# Altium PCB CalibratorPCB_v1.PcbDoc (part 1 of 3) (continued)
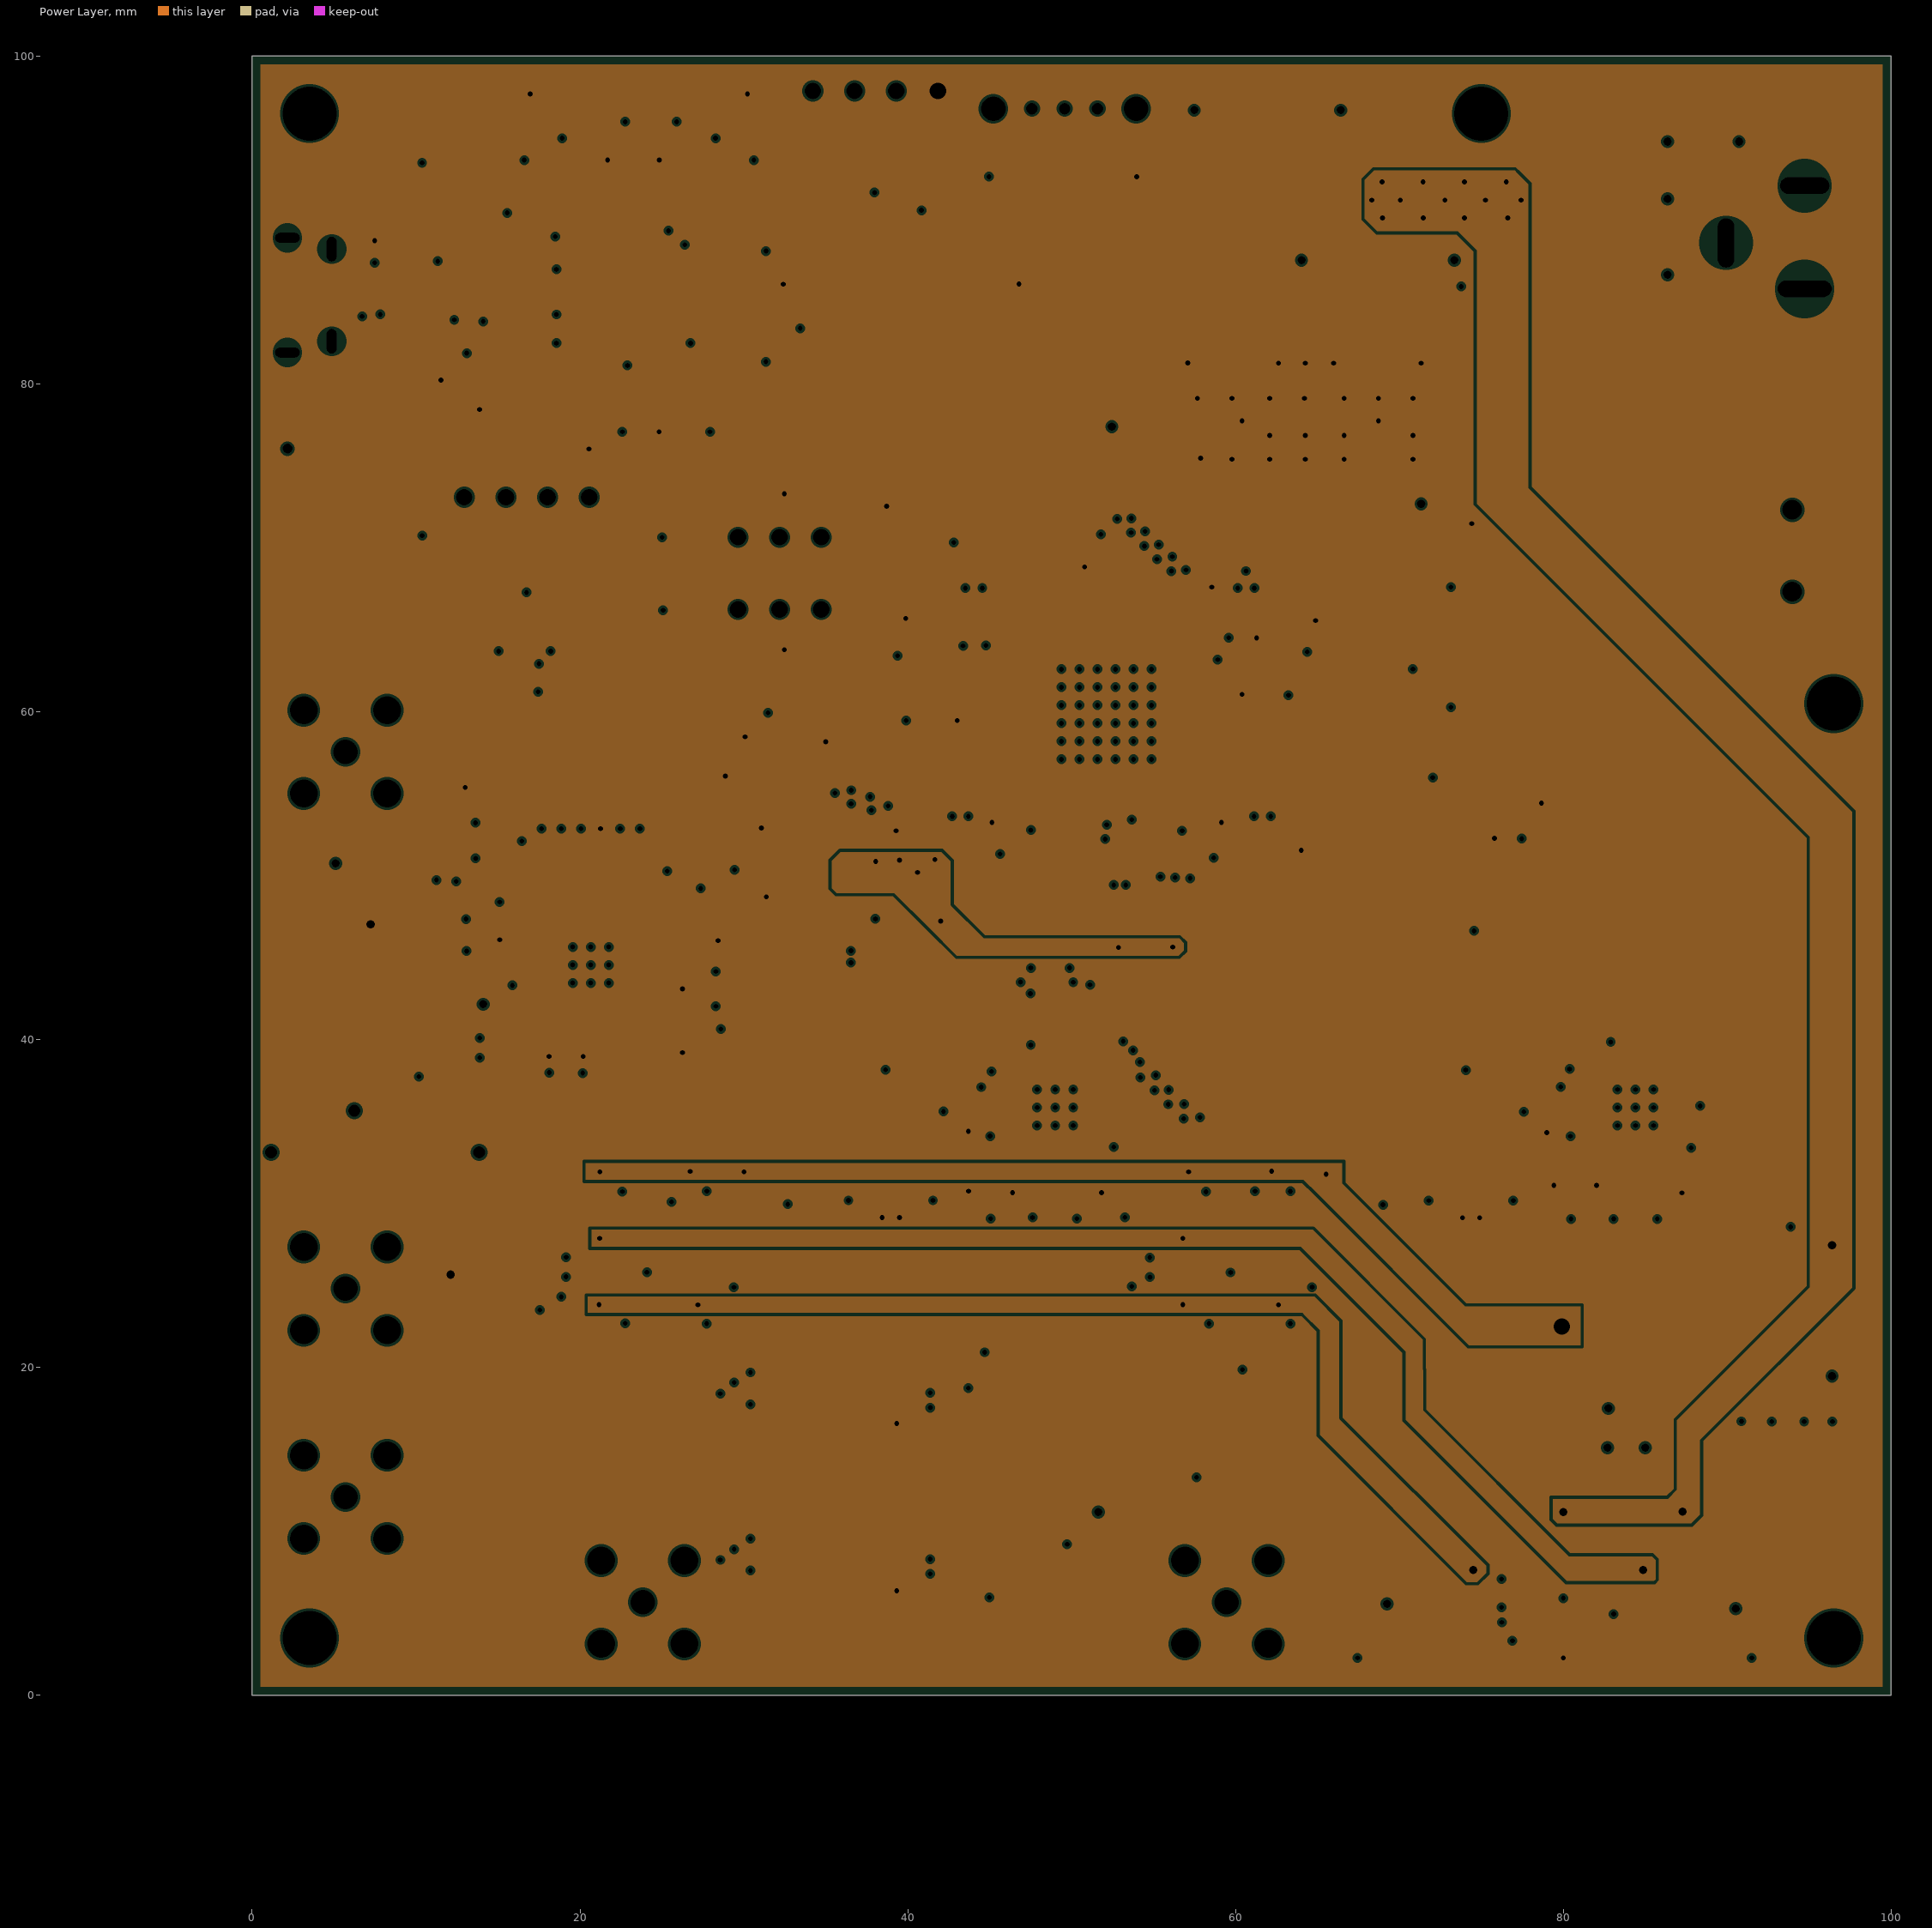
[diagram p3: Power Layer, clearances drawn from the general rule]
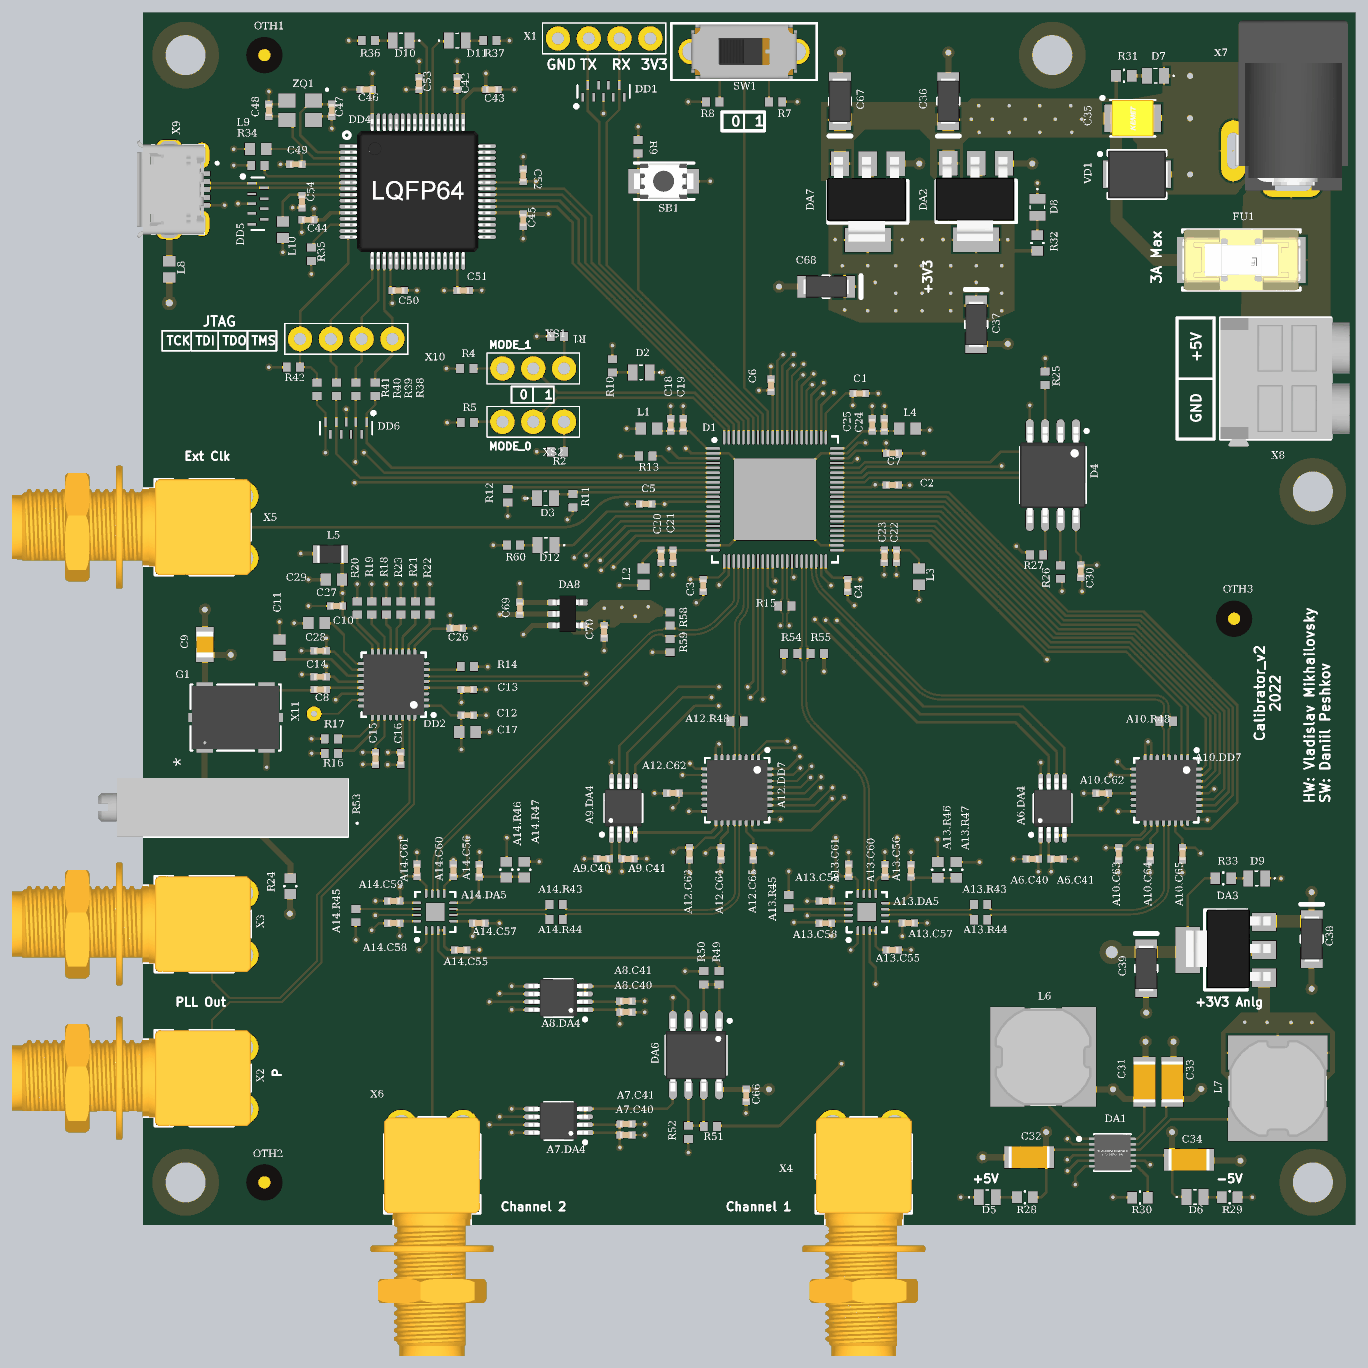
[diagram p6: 3D render of the assembled board from above, using the file's embedded part models]

## Layer stack, top to bottom
Top Solder Mask: solder mask 0.025, SM-001, Dk 3.5
Top Layer: signal copper 0.018
Top Prepreg: prepreg 0.127, FR4, Dk 4.2
GND Layer: plane copper 0.018, net GND
Core: core 1.2, FR4, Dk 4.6
Power Layer: plane copper 0.018, net (Multiple Nets)
Bottom Prepreg: prepreg 0.127, FR4, Dk 4.2
Bottom Layer: signal copper 0.018
Bottom Solder Mask: solder mask 0.025, SM-001, Dk 3.5

## Board outline
0,0 0,100 100,100 100,0

## Design rules (kind name [scope] priority, off if disabled: settings)
AcuteAngle [All] p1: minimum=3.50000000000000E+0001 checktracksonly=FALSE
BoardOutlineClearance [OnLayer('Top Overlay') and InComponent('X2','X3','X4','X5','X6','X9','R53')] p1: gap=0 ignorepadtopadclearanceinfootprint=FALSE
BoardOutlineClearance "BoardOutlineClearance 1" [All] p2: gap=0.25 ignorepadtopadclearanceinfootprint=FALSE except(0: Arc-SplitContinuation Track-SplitContinuation SMDPad-SplitContinuation THPad-SplitContinuation Via-SplitContinuation Fill-SplitContinuation Poly-SplitContinuation Region-SplitContinuation Text-SplitContinuation) // Milling
BoardOutlineClearance "BoardOutlineClearance 2" [All] p3 off: gap=0.4 ignorepadtopadclearanceinfootprint=FALSE except(0: Arc-SplitContinuation Track-SplitContinuation SMDPad-SplitContinuation THPad-SplitContinuation Via-SplitContinuation Fill-SplitContinuation Poly-SplitContinuation Region-SplitContinuation Text-SplitContinuation) // V-Cut
Clearance "Clearance 3 Oz" [All] p1 off: gap=0.35 ignorepadtopadclearanceinfootprint=FALSE except(0.25: Arc-Hole Track-Hole SMDPad-Hole THPad-Hole Via-Hole Fill-Hole Poly-Hole Region-Hole Text-Hole)
Clearance "Clearance 2 Oz" [All] p2 off: gap=0.3 ignorepadtopadclearanceinfootprint=FALSE except(0.25: Arc-Hole Track-Hole SMDPad-Hole THPad-Hole Via-Hole Fill-Hole Poly-Hole Region-Hole Text-Hole)
Clearance "Clearance-1 1 Oz" [All] p3 off: gap=0.2 ignorepadtopadclearanceinfootprint=FALSE except(0.25: Arc-Hole Track-Hole SMDPad-Hole THPad-Hole Via-Hole Fill-Hole Poly-Hole Region-Hole Text-Hole) // Standart
Clearance "Clearance-2 1 Oz" [All] p4 off: gap=0.15 ignorepadtopadclearanceinfootprint=FALSE except(0.2: Arc-Fill Arc-Poly Track-Fill Track-Poly SMDPad-Fill SMDPad-Poly THPad-Fill THPad-Poly Via-Fill Via-Poly Fill-Fill Fill-Poly Poly-Poly; 0.25: Arc-Hole Track-Hole SMDPad-Hole THPad-Hole Via-Hole Fill-Hole Poly-Hole Region-Hole Text-Hole) // Advance
Clearance "Clearance-1 1/2 Oz" [All] p5: gap=0.125 ignorepadtopadclearanceinfootprint=FALSE except(0.199: Arc-Fill Arc-Poly Track-Fill Track-Poly SMDPad-Fill SMDPad-Poly THPad-Fill THPad-Poly Via-Fill Via-Poly Fill-Fill Fill-Poly Poly-Poly Poly-Region; 0.2: SMDPad-SMDPad Poly-Text; 0.25: Arc-Hole Track-Hole SMDPad-Hole THPad-Hole Via-Hole Fill-Hole Poly-Hole Region-Hole Text-Hole) // Standart
Clearance "Clearance-2 1/2 Oz" [All] p6 off: gap=0.1 ignorepadtopadclearanceinfootprint=FALSE except(0.15: Arc-Fill Arc-Poly Track-Fill Track-Poly SMDPad-SMDPad SMDPad-Fill SMDPad-Poly THPad-Fill THPad-Poly Via-Fill Via-Poly Fill-Fill Fill-Poly Poly-Poly Poly-Region Poly-Text; 0.25: Arc-Hole Track-Hole SMDPad-Hole THPad-Hole Via-Hole Fill-Hole Poly-Hole Region-Hole Text-Hole) // Advance
DiffPairsRouting "DiffPairsRouting 1 Oz" [All] p1 off: maxlimit=0.254 minlimit=0.2 mostfreqgap=0.254 toplayer_minwidth=0.2 toplayer_maxwidth=0.381 toplayer_prefwidth=0.381 bottomlayer_minwidth=0.2 bottomlayer_maxwidth=0.381 bottomlayer_prefwidth=0.381 maxuncoupledlength=12.7
DiffPairsRouting "DiffPairsRouting 1/2 Oz_LVDS" [InDifferentialPairClass('LVDS/PECL')] p2: maxlimit=0.2 minlimit=0.2 mostfreqgap=0.2 toplayer_minwidth=0.157 toplayer_maxwidth=0.157 toplayer_prefwidth=0.157 bottomlayer_minwidth=0.157 bottomlayer_maxwidth=0.157 bottomlayer_prefwidth=0.157 impedanceprofiledriven=TRUE impedanceprofileid={0FC08B0F-4EC7-4038-B0E8-74F926446859} impedanceprofilevalue=100.000000 maxuncoupledlength=12.7
DiffPairsRouting DiffPairsRouting_USB [InDifferentialPairClass('USB')] p3: maxlimit=0.2 minlimit=0.2 mostfreqgap=0.2 toplayer_minwidth=0.2 toplayer_maxwidth=0.2 toplayer_prefwidth=0.2 bottomlayer_minwidth=0.2 bottomlayer_maxwidth=0.2 bottomlayer_prefwidth=0.2 impedanceprofiledriven=TRUE impedanceprofileid={825B4790-DC1B-4683-80F7-A190E56E5636} impedanceprofilevalue=90.000000 maxuncoupledlength=12.7
FanoutControl Fanout_BGA [IsBGA] p1 off: bgadir=Out bgaviamode=Centered fanoutstyle=Auto fanoutdirection=Alternating viagrid=0.025 // Fanout_BGA (Default Rule)
HoleSize "Minimum HoleSize" [IsPad] p1 off: absolutevalues=TRUE maxlimit=5.9 minlimit=0.6 maxpercent=80.000 minpercent=20.000
HoleSize "Minimum HoleSize VIA 1" [IsVia] p2: absolutevalues=TRUE maxlimit=5.9 minlimit=0.3 maxpercent=80.000 minpercent=20.000 // Standart
HoleSize "Minimum HoleSize VIA 2" [IsVia] p3 off: absolutevalues=TRUE maxlimit=5.9 minlimit=0.2 maxpercent=80.000 minpercent=20.000 // Advance
HoleToHoleClearance Hole2HoleClearance [All] p1: gap=0.25 allowstackedmicrovias=FALSE
MatchedLengths Latch [InxSignalClass('Latch')] p1: tolerance=1 checknetsindiffpair=FALSE checkdiffpairvsdiffpair=TRUE checkxsignals=TRUE checkothers=TRUE
MinimumAnnularRing "Minimum AR VIA Standart" [IsVia] p1: minimumring=0.15
MinimumAnnularRing "Minimum AR PAD Standart" [IsPAD] p2: minimumring=0.2
MinimumAnnularRing "Minimum AR VIA Advance" [IsVia] p3 off: minimumring=0.1
MinimumAnnularRing "Minimum AR PAD Advance" [IsPAD] p4 off: minimumring=0.15
MinimumSolderMaskSliver "SolderMask Bridge Standart" [All] p1 off: minsoldermaskwidth=0.15 // All Masks
MinimumSolderMaskSliver "SolderMask Bridge Advance" [All] p2: minsoldermaskwidth=0.1 // Mask LDI
PlaneClearance "PlaneClearance 3 Oz" [All] p1 off: clearance=0.35
PlaneClearance "PlaneClearance 2 Oz" [All] p2 off: clearance=0.3
PlaneClearance "PlaneClearance 1 Oz" [All] p3 off: clearance=0.2
PlaneClearance "PlaneClearance-1 1/2 Oz" [All] p4: clearance=0.25 // Standart
PlaneClearance "PlaneClearance-2 1/2 Oz" [All] p5 off: clearance=0.15 // Advance
PlaneConnect "TermalConnect 3 Oz" [All] p1 off: planeconnectstyle=Relief reliefexpansion=0.2 reliefentries=4 reliefconductorwidth=0.35 reliefairgap=0.35 // Standart
PlaneConnect "TermalConnect 2 Oz" [All] p2 off: planeconnectstyle=Relief reliefexpansion=0.2 reliefentries=4 reliefconductorwidth=0.3 reliefairgap=0.3 // Standart
PlaneConnect "TermalConnect-1 1 Oz" [All] p3 off: planeconnectstyle=Relief reliefexpansion=0.2 reliefentries=4 reliefconductorwidth=0.2 reliefairgap=0.2 // Standart
PlaneConnect "TermalConnect-2 1 Oz" [All] p4 off: pad.planeconnectstyle=Relief pad.reliefexpansion=0.15 pad.reliefentries=4 pad.reliefconductorwidth=0.2 pad.reliefairgap=0.2 via.planeconnectstyle=Direct via.reliefexpansion=0.15 via.reliefentries=4 via.reliefconductorwidth=0.15 via.reliefairgap=0.15 // Advance
PlaneConnect "TermalConnect-1 1/2 Oz" [All] p5: pad.planeconnectstyle=Relief pad.reliefexpansion=0.2 pad.reliefentries=4 pad.reliefconductorwidth=0.2 pad.reliefairgap=0.2 via.planeconnectstyle=Direct via.reliefexpansion=0.2 via.reliefentries=4 via.reliefconductorwidth=0.2 via.reliefairgap=0.2 // Standart
PlaneConnect "TermalConnect-2 1/2 Oz" [All] p6 off: pad.planeconnectstyle=Relief pad.reliefexpansion=0.15 pad.reliefentries=4 pad.reliefconductorwidth=0.15 pad.reliefairgap=0.15 via.planeconnectstyle=Direct via.reliefexpansion=0.15 via.reliefentries=4 via.reliefconductorwidth=0.15 via.reliefairgap=0.15 // Advance
PolygonConnect "PolygonConnect 3 Oz" [All] p1 off: thpad.connectstyle=Relief thpad.reliefconductorwidth=0.35 thpad.reliefentries=4 thpad.polygonreliefangle="90 Angle" thpad.airgapwidth=0.35 smdpad.connectstyle=Relief smdpad.reliefconductorwidth=0.35 smdpad.reliefentries=4 smdpad.polygonreliefangle="90 Angle" smdpad.airgapwidth=0.35 via.connectstyle=Direct via.reliefconductorwidth=0.254 via.reliefentries=4 via.polygonreliefangle="90 Angle" via.airgapwidth=0.254
PolygonConnect "PolygonConnect 2 Oz" [All] p2 off: thpad.connectstyle=Relief thpad.reliefconductorwidth=0.3 thpad.reliefentries=4 thpad.polygonreliefangle="90 Angle" thpad.airgapwidth=0.3 smdpad.connectstyle=Relief smdpad.reliefconductorwidth=0.3 smdpad.reliefentries=4 smdpad.polygonreliefangle="90 Angle" smdpad.airgapwidth=0.3 via.connectstyle=Direct via.reliefconductorwidth=0.254 via.reliefentries=4 via.polygonreliefangle="90 Angle" via.airgapwidth=0.254
PolygonConnect "PolygonConnect-1 1 Oz" [All] p3 off: thpad.connectstyle=Relief thpad.reliefconductorwidth=0.2 thpad.reliefentries=4 thpad.polygonreliefangle="90 Angle" thpad.airgapwidth=0.2 smdpad.connectstyle=Relief smdpad.reliefconductorwidth=0.2 smdpad.reliefentries=4 smdpad.polygonreliefangle="90 Angle" smdpad.airgapwidth=0.2 via.connectstyle=Direct via.reliefconductorwidth=0.254 via.reliefentries=4 via.polygonreliefangle="90 Angle" via.airgapwidth=0.254 // Standart
PolygonConnect "PolygonConnect-2 1 Oz" [All] p4 off: thpad.connectstyle=Relief thpad.reliefconductorwidth=0.15 thpad.reliefentries=4 thpad.polygonreliefangle="90 Angle" thpad.airgapwidth=0.15 smdpad.connectstyle=Relief smdpad.reliefconductorwidth=0.15 smdpad.reliefentries=4 smdpad.polygonreliefangle="90 Angle" smdpad.airgapwidth=0.15 via.connectstyle=Direct via.reliefconductorwidth=0.254 via.reliefentries=4 via.polygonreliefangle="90 Angle" via.airgapwidth=0.254 // Advance
PolygonConnect "PolygonConnect-1 1/2 Oz" [All] p5: thpad.connectstyle=Relief thpad.reliefconductorwidth=0.15 thpad.reliefentries=4 thpad.polygonreliefangle="90 Angle" thpad.airgapwidth=0.2 smdpad.connectstyle=Relief smdpad.reliefconductorwidth=0.2 smdpad.reliefentries=4 smdpad.polygonreliefangle="90 Angle" smdpad.airgapwidth=0.2 via.connectstyle=Direct via.reliefconductorwidth=0.254 via.reliefentries=4 via.polygonreliefangle="90 Angle" via.airgapwidth=0.254 // Standart
PolygonConnect "PolygonConnect-2 1/2 Oz" [All] p6 off: thpad.connectstyle=Relief thpad.reliefconductorwidth=0.125 thpad.reliefentries=4 thpad.polygonreliefangle="90 Angle" thpad.airgapwidth=0.15 smdpad.connectstyle=Relief smdpad.reliefconductorwidth=0.125 smdpad.reliefentries=4 smdpad.polygonreliefangle="90 Angle" smdpad.airgapwidth=0.15 via.connectstyle=Direct via.reliefconductorwidth=0.254 via.reliefentries=4 via.polygonreliefangle="90 Angle" via.airgapwidth=0.254 // Advance
RoutingCorners [All] p1 off: cornerstyle=45-Degree minsetback=2.54 maxsetback=2.54
RoutingVias [All] p1: holewidth=0.3 width=0.6 viastyle="Through Hole" minholewidth=0.3 minwidth=0.6 maxholewidth=5.9 maxwidth=6.4
SilkToSilkClearance Silk2SilkClearance [All] p1 off: silktosilkclearance=0.15
SilkToSolderMaskClearance Silk2SolderMaskClearance [IsPad] p1 off: minsilkscreentomaskgap=0.15 clearancetoexposedcopper=TRUE
SolderMaskExpansion SolderMaskExpansion-1 [All] p1: expansion=0.05 istentingtop=FALSE // Standart
SolderMaskExpansion "SolderMaskExpansion LDI" [All] p2 off: expansion=0.025 istentingtop=FALSE // Advance
UnRoutedNet [All] p1: checkbadconnections=TRUE
Width "Width 3 Oz" [All] p1 off: maxlimit=10 minlimit=0.35 preferedwidth=0.4 checkconnectedcopper=TRUE
Width "Width 2 Oz" [All] p2 off: maxlimit=10 minlimit=0.3 preferedwidth=0.35 minimp=50.000000 maximp=50.000000 favimp=50.000000 checkconnectedcopper=TRUE
Width "Width 1 Oz" [All] p3 off: maxlimit=10 minlimit=0.15 preferedwidth=0.2 checkconnectedcopper=TRUE
Width "Width 1/2 Oz" [All] p4: maxlimit=10 minlimit=0.1 preferedwidth=0.125 checkconnectedcopper=TRUE
Width Width_SMA [InNetClass('Channel_SMA')] p5: maxlimit=0.21 minlimit=0.21 preferedwidth=0.21 impedanceprofiledriven=TRUE impedanceprofileid={8903AEB0-3D7D-4096-884C-4950B1EF1947} impedanceprofilevalue=50.000000 minimp=50.000000 maximp=50.000000 favimp=50.000000
19 further rules are at their usual default settings.

## Classes and differential pairs
differential pair class USB: USB
differential pair class LVDS/PECL: A10.Delayed_DelayLine1 A12.Delayed_DelayLine1 A13.In A14.In CDCM_to_SMA Clock Comp_1 Comp_2 Trigger1 Trigger2
net class A14.R47_Nets: GND NetA14.C56_2
net class A14.R46_Nets: +3V3_Analog NetA14.C56_2
net class A14.R45_Nets: GND NetA14.DA5_14
net class A14.R44_Nets: A12.Delayed_DelayLine1_P A14.In_N
net class A14.R43_Nets: A12.Delayed_DelayLine1_N A14.In_P
net class A14.C58_Nets: +5V GND
net class A14.C57_Nets: +5V GND
net class A14.C56_Nets: GND NetA14.C56_2
net class A14.C55_Nets: GND NetA14.C55_1
net class A13.R47_Nets: GND NetA13.C56_2
net class A13.R46_Nets: +3V3_Analog NetA13.C56_2
net class A13.R45_Nets: GND NetA13.DA5_14
net class A13.R44_Nets: A10.Delayed_DelayLine1_P A13.In_N
net class A13.R43_Nets: A10.Delayed_DelayLine1_N A13.In_P
net class A13.C61_Nets: +3V3_Analog GND
net class A13.C60_Nets: +3V3_Analog GND
net class A13.C59_Nets: -5V GND
net class A13.C57_Nets: +5V GND
net class A13.C56_Nets: GND NetA13.C56_2
net class A13.C55_Nets: GND NetA13.C55_1
net class A10.C65_Nets: +3V3 GND
net class A10.C64_Nets: +3V3 GND
net class A10.C63_Nets: +3V3 GND
net class A10.C62_Nets: +3V3 GND
net class A9.C41_Nets: +3V3 GND
net class A9.C40_Nets: +3V3 GND
net class A8.C41_Nets: +3V3 GND
net class A8.C40_Nets: +3V3 GND
net class A7.C41_Nets: +3V3 GND
net class A7.C40_Nets: +3V3 GND
component class A9: A9.C40 A9.C41 A9.DA4
component class A3: C31 C32 C33 C34 C35 C36 C37 C38 C39 C67 C68 C69 C70 D5 D6 D7 D8 D9 DA1 DA2 DA3 DA7 DA8 FU1 L6 L7 R28 R29 R30 R31 R32 R33 VD1 X7 X8
net class A13.C58_Nets: +5V GND
net class A14.C61_Nets: +3V3_Analog GND
net class A14.C60_Nets: +3V3_Analog GND
net class A12.C63_Nets: +3V3 GND
net class A12.C62_Nets: +3V3 GND
net class A12.C65_Nets: +3V3 GND
net class A12.C64_Nets: +3V3 GND
net class A6.C41_Nets: +3V3 GND
net class A6.C40_Nets: +3V3 GND
net class A14.C59_Nets: -5V GND
net class ZQ1_Nets: GND OSCI OSCO
net class XS2_Nets: MODE0 NetR2_1 NetR5_2
net class XS1_Nets: MODE1 NetR1_1 NetR4_2
net class X11_Nets: NetDD2_23
net class X10_Nets: JTAG_FTDI_TCK JTAG_FTDI_TDI JTAG_FTDI_TDO JTAG_FTDI_TMS
net class X9_Nets: GND NetL8_1 NetX9_1 NetX9_4 USB_N USB_P
net class X8_Nets: GND "Power Input"
net class X7_Nets: GND "Power Input"
net class X6_Nets: GND SMA_Voltage_2
net class X5_Nets: GND Node_Clk
net class X4_Nets: GND SMA_Voltage_1
net class X3_Nets: CDCM_to_SMA_N GND
net class X2_Nets: CDCM_to_SMA_P GND
net class X1_Nets: +3V3 GND HeaderUart_RX HeaderUart_TX
net class VD1_Nets: Fused_5V GND
net class SW1_Nets: NetR7_1 NetR8_2 UserSwitch
net class SB1_Nets: +3V3 Button_FPGA
net class R60_Nets: +3V3 NetD12_2
net class R59_Nets: +1V3 Comp_2_N
net class R58_Nets: +1V3 Comp_2_P
net class R55_Nets: +1V3 Comp_1_N
net class R54_Nets: +1V3 Comp_1_P
net class R53_Nets: GND NetG1_1 NetR53_3
net class R52_Nets: GND NetDA6_6
net class R51_Nets: NetA13.C55_1 NetDA6_6
net class R50_Nets: GND NetDA6_1
net class R49_Nets: NetA14.C55_1 NetDA6_1
net class A12.R48_Nets: Trigger2_N Trigger2_P
net class A10.R48_Nets: Trigger1_N Trigger1_P
net class R42_Nets: GND JTAG_FTDI_TCK
net class R41_Nets: JTAG_FTDI_TCK JTAG_TCK
net class R40_Nets: JTAG_FTDI_TDI JTAG_TDI
net class R39_Nets: JTAG_FTDI_TDO JTAG_TDO
net class R38_Nets: JTAG_FTDI_TMS JTAG_TMS
net class R37_Nets: +3V3 NetD11_2
net class R36_Nets: +3V3 NetD10_2
net class R35_Nets: +3V3 NetDD4_14
net class R34_Nets: GND NetDD4_6
net class R33_Nets: +3V3_Analog NetD9_2
net class R32_Nets: +3V3 NetD8_2
net class R31_Nets: Fused_5V NetD7_2
net class R30_Nets: +3V3 NetDA1_7
net class R29_Nets: GND NetD6_2
net class R28_Nets: +5V NetD5_2
net class R27_Nets: GND MCLK
net class R26_Nets: +3V3 NetD4_7
net class R25_Nets: +3V3 NetD4_3
net class R24_Nets: +3V3 NetG1_1
net class R23_Nets: +3V3 NetDD2_12
net class R22_Nets: GND NetDD2_10
net class R21_Nets: GND NetDD2_11
net class R20_Nets: GND NetDD2_15
net class R19_Nets: GND NetDD2_14
net class R18_Nets: GND NetDD2_13
net class R17_Nets: GND NetDD2_25
net class R16_Nets: GND NetDD2_26
net class R15_Nets: Clock_N Clock_P
net class R14_Nets: +3V3 NetDD2_7
net class R13_Nets: GND JTAGSEL_N
net class R12_Nets: +3V3 RECONFIG_N
net class R11_Nets: +3V3 DONE
net class R10_Nets: +3V3 NetD2_2
net class R9_Nets: Button_FPGA GND
net class R8_Nets: GND NetR8_2
net class R7_Nets: +3V3 NetR7_1
net class R5_Nets: GND NetR5_2
net class R4_Nets: GND NetR4_2
net class R2_Nets: +3V3 NetR2_1
net class R1_Nets: +3V3 NetR1_1
net class L10_Nets: +3V3 VPLL
net class L9_Nets: +3V3 VPHY
net class L8_Nets: GND NetL8_1
net class L7_Nets: GND NetDA1_10
net class L6_Nets: Fused_5V NetDA1_1
net class L5_Nets: +3V3 NetC26_2
net class L4_Nets: +3V3 +3V3_UnNoised_66
net class L3_Nets: +3V3 +3V3_UnNoised_45
net class L2_Nets: +3V3 +3V3_UnNoised_22
net class L1_Nets: +3V3 +3V3_UnNoised_1
net class G1_Nets: +3V3 "Clock_to CDCM" GND NetG1_1 NetG1_3
net class FU1_Nets: Fused_5V "Power Input"
net class A12.DD7_Nets: +3V3 A12.Delayed_DelayLine1_N A12.Delayed_DelayLine1_P Delay2_0 Delay2_1 Delay2_2 Delay2_3 Delay2_4 Delay2_5 Delay2_6 Delay2_7 Delay2_8 Delay2_9 Enable_2 GND NetA9.DA4_3 NetA12.DD7_7 NetDD7_DelayLine2_3 NetDD7_DelayLine2_6 NetDD7_DelayLine2_11 NetDD7_DelayLine2_12 NetDD7_DelayLine2_14 NetDD7_DelayLine2_15 Trigger2_N Trigger2_P
net class A10.DD7_Nets: +3V3 A10.Delayed_DelayLine1_N A10.Delayed_DelayLine1_P Delay1_0 Delay1_1 Delay1_2 Delay1_3 Delay1_4 Delay1_5 Delay1_6 Delay1_7 Delay1_8 Delay1_9 Enable_1 GND NetA6.DA4_3 NetA10.DD7_7 NetDD7_DelayLine1_3 NetDD7_DelayLine1_6 NetDD7_DelayLine1_11 NetDD7_DelayLine1_12 NetDD7_DelayLine1_14 NetDD7_DelayLine1_15 Trigger1_N Trigger1_P
net class DD6_Nets: GND JTAG_TCK JTAG_TDI JTAG_TDO JTAG_TMS NetDD6_6 NetDD6_7 NetDD6_8 NetDD6_9
net class DD5_Nets: GND NetDD5_2 NetDD5_4 NetDD5_5 NetDD5_6 NetDD5_7 NetDD5_8 USB_N USB_P
net class DD4_Nets: +3V3 FTDI_1V8 FTDI_RX_LED FTDI_TX_LED GND JTAG_FTDI_TCK JTAG_FTDI_TDI JTAG_FTDI_TDO JTAG_FTDI_TMS NetDD4_6 NetDD4_14 NetDD4_21 NetDD4_22 NetDD4_23 NetDD4_24 NetDD4_26 NetDD4_27 NetDD4_28 NetDD4_29 NetDD4_30 NetDD4_32 NetDD4_33 NetDD4_34 NetDD4_36 NetDD4_43 NetDD4_44 NetDD4_45 NetDD4_46 NetDD4_48 NetDD4_52 NetDD4_53 NetDD4_57 NetDD4_58 NetDD4_59 NetDD4_60 NetDD4_61 NetDD4_62 NetDD4_63 OSCI OSCO SPI_CS SPI_DI UART_RX_SPI_DO UART_TX_SPI_CLK USB_N USB_P VPHY VPLL
net class DD2_Nets: +3V3 CDCM_to_SMA_N CDCM_to_SMA_P Clock_N Clock_P GND NetC8_2 NetC10_2 NetC11_1 NetC26_2 NetDD2_2 NetDD2_3 NetDD2_7 NetDD2_8 NetDD2_10 NetDD2_11 NetDD2_12 NetDD2_13 NetDD2_14 NetDD2_15 NetDD2_23 NetDD2_24 NetDD2_25 NetDD2_26 NetDD2_28 NetDD2_29
net class DD1_Nets: GND HeaderUart_RX HeaderUart_TX NetDD1_1 NetDD1_2 NetDD1_4 NetDD1_5 NetDD1_7 NetDD1_8
net class DA8_Nets: +1V3 +3V3 GND NetDA8_5
net class DA7_Nets: +3V3 Fused_5V GND
net class DA6_Nets: Fused_5V GND NetA7.DA4_3 NetA8.DA4_3 NetDA6_1 NetDA6_6
net class A14.DA5_Nets: +3V3_Analog +5V -5V A14.In_N A14.In_P Comp_2_N Comp_2_P GND NetA14.C55_1 NetA14.C56_2 NetA14.DA5_14 SMA_Voltage_2